# Altium PCB PCB3.PcbDoc
Units mil, origin at the board's own origin, x right, y up, seen from the top; angles counter-clockwise.
Board outline 1770 x 1695 mil, 2 copper layers (Top Layer, Bottom Layer); 39 components, 30 nets, 125 pads, 80 vias.
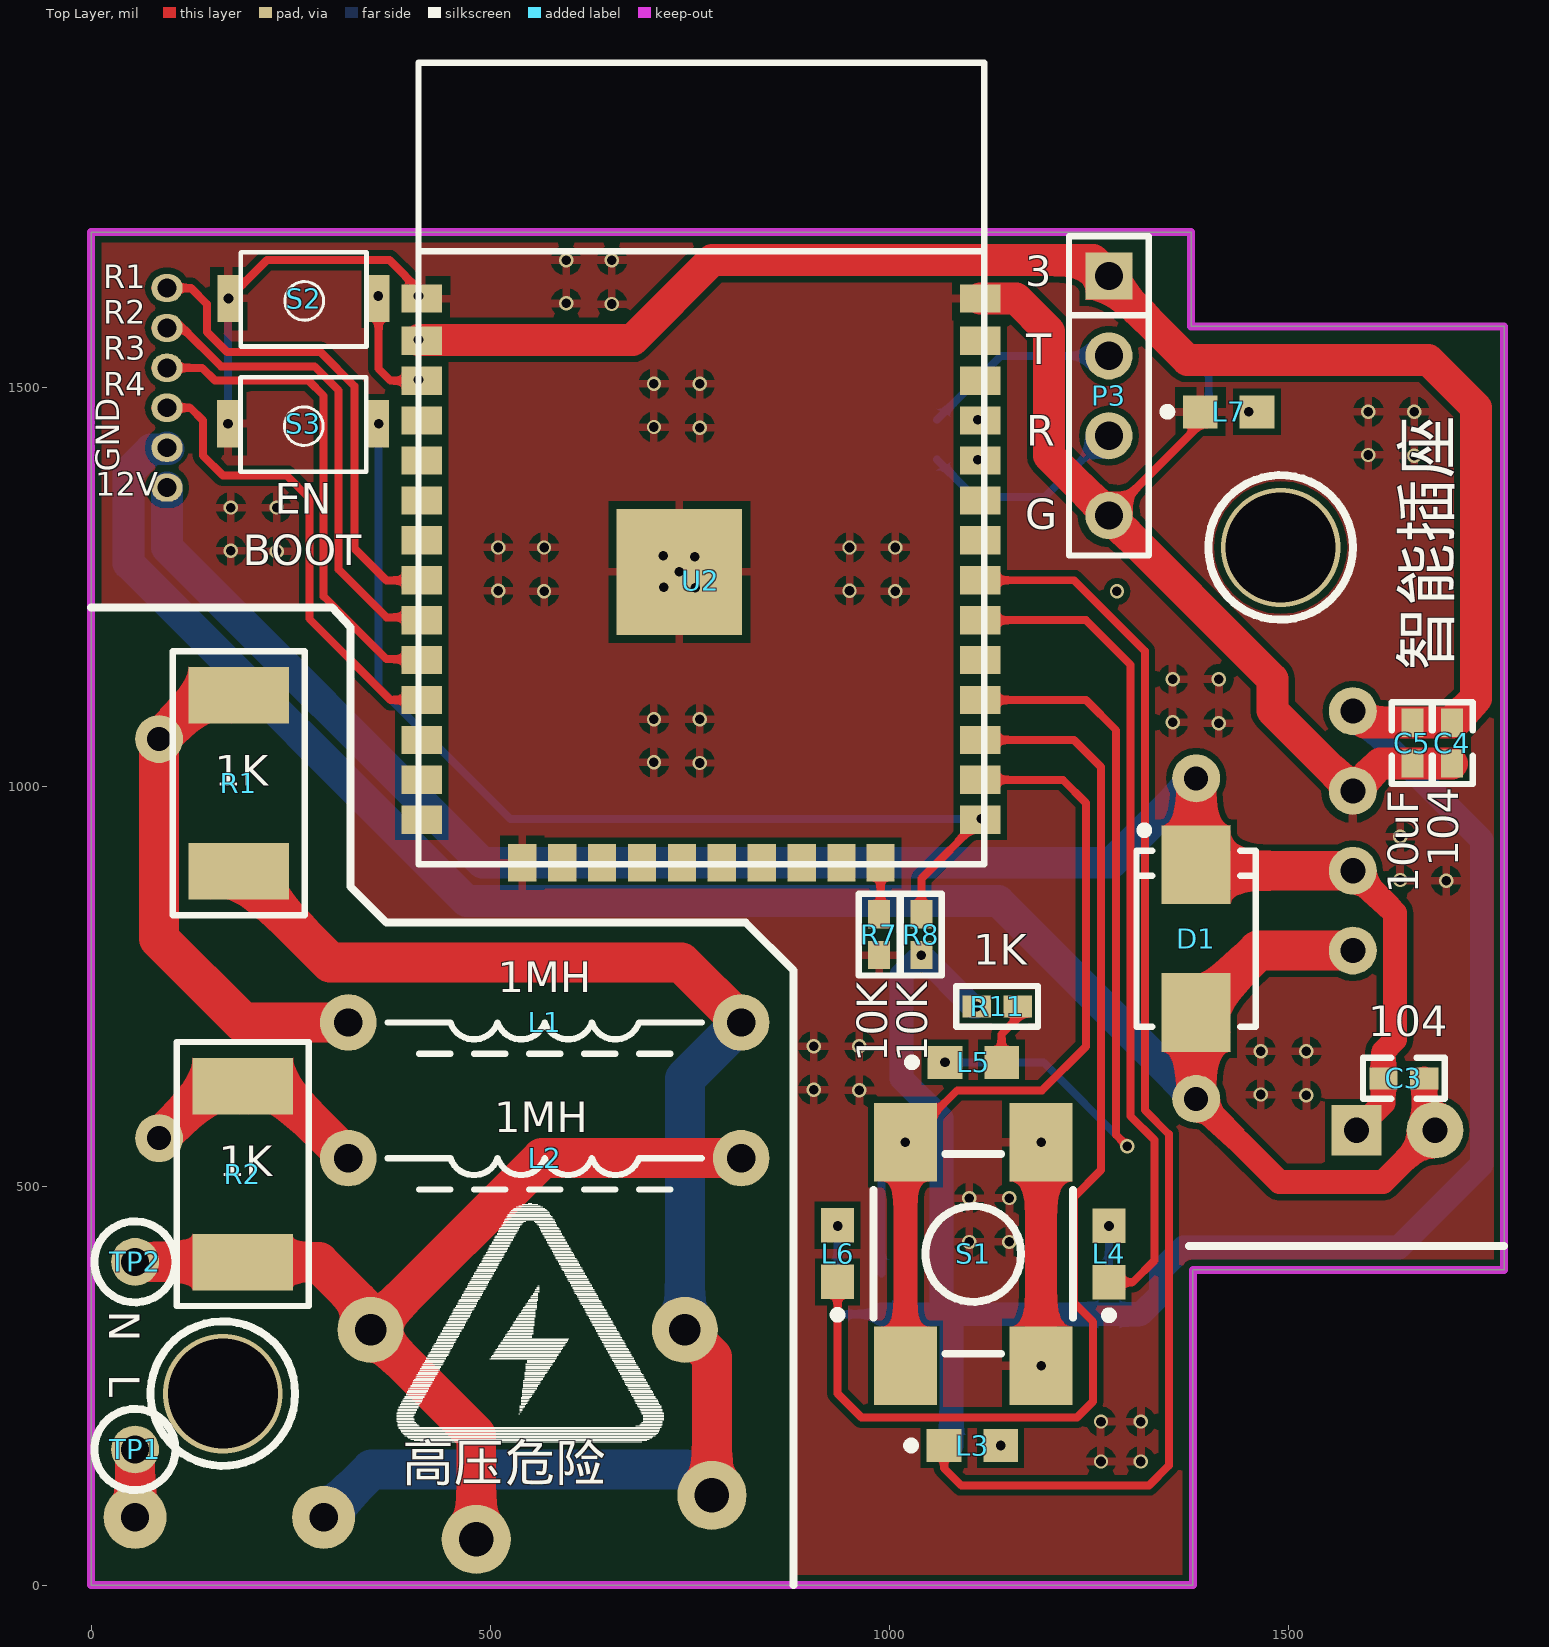
[diagram p0: Top Layer view]
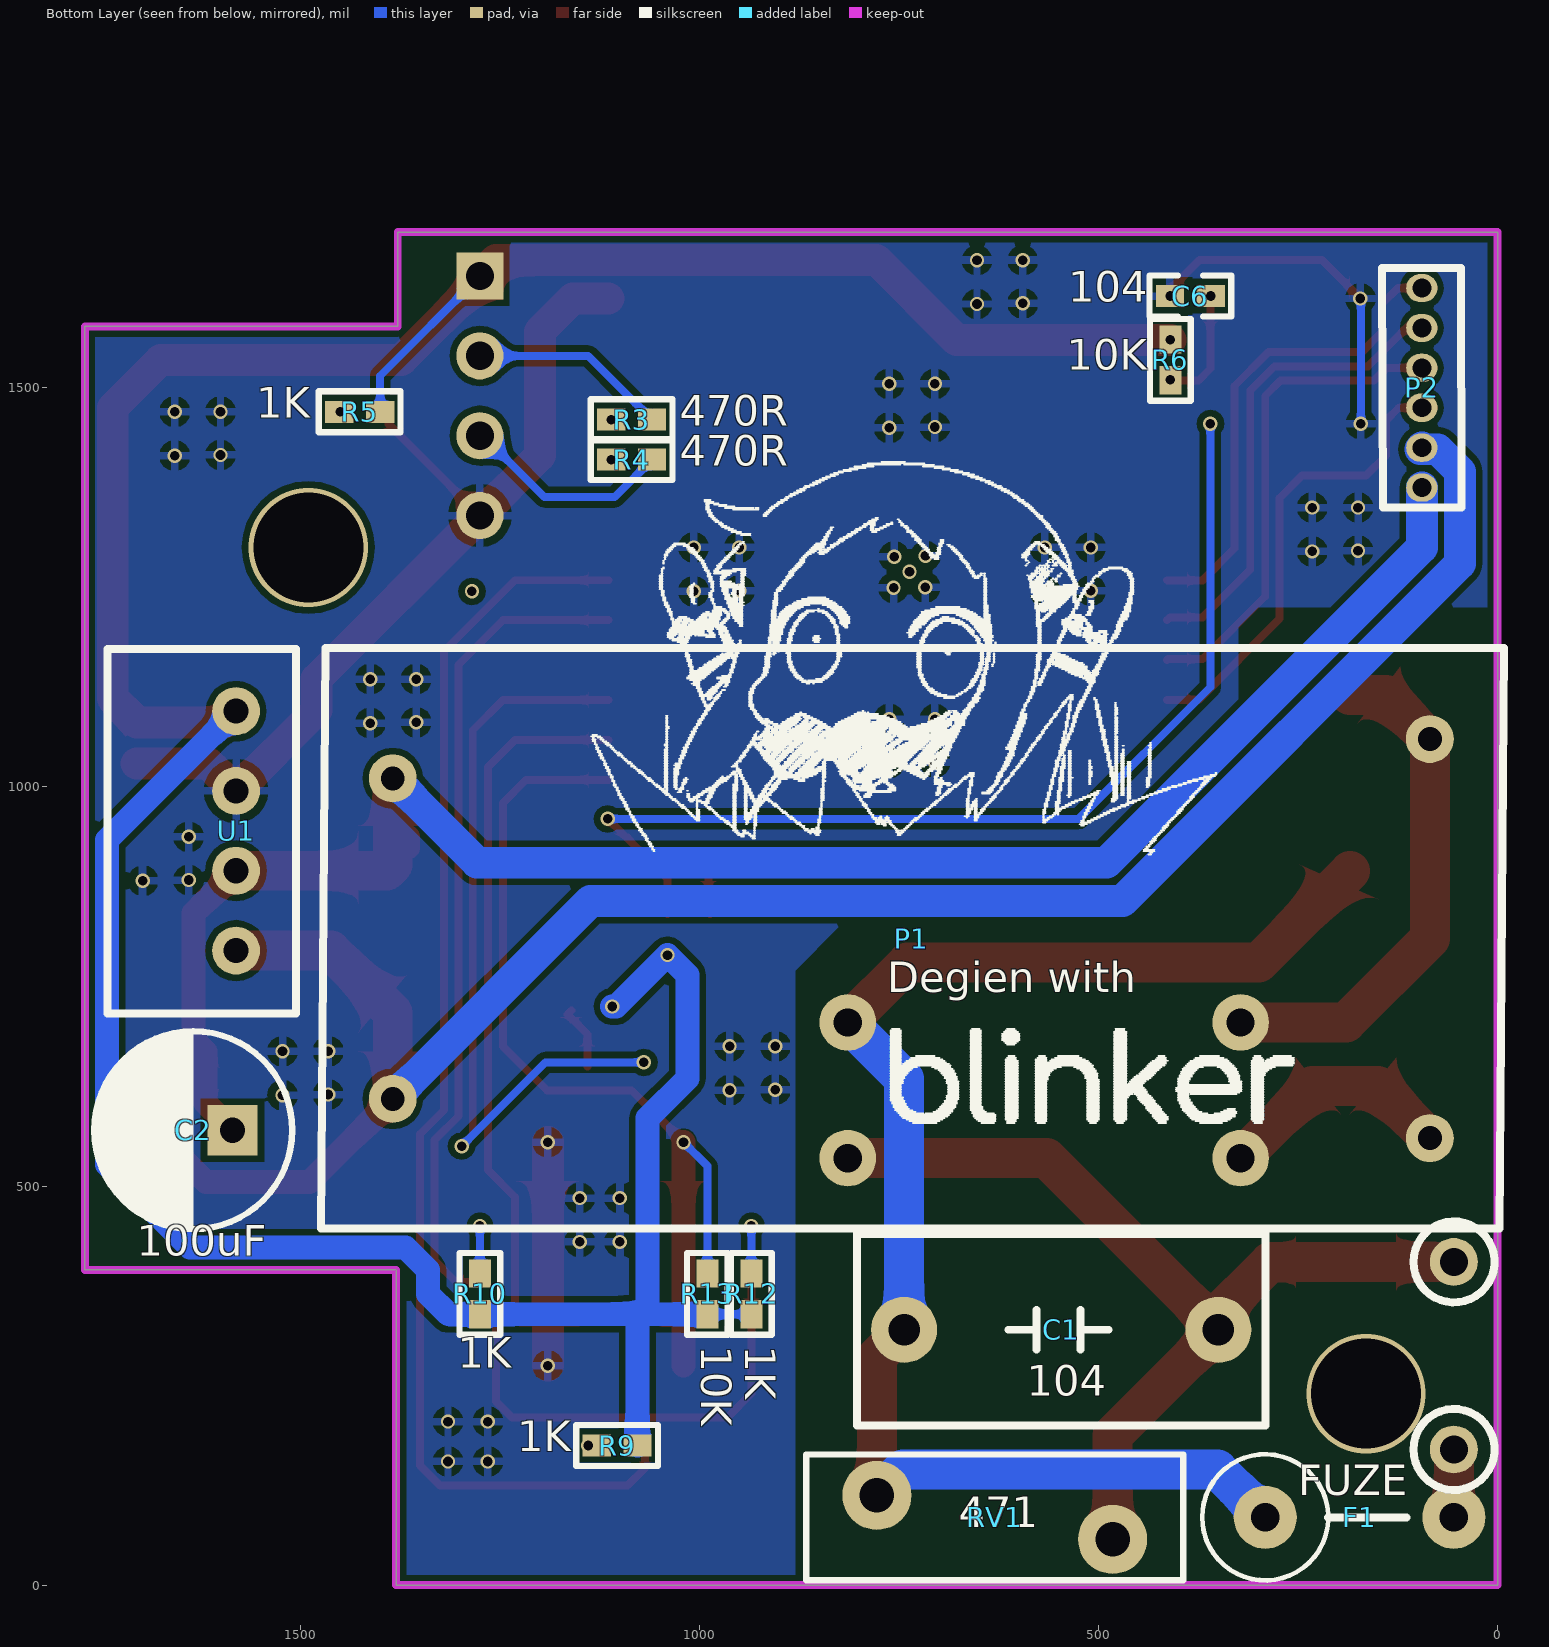
[diagram p1: Bottom Layer view, seen from below]
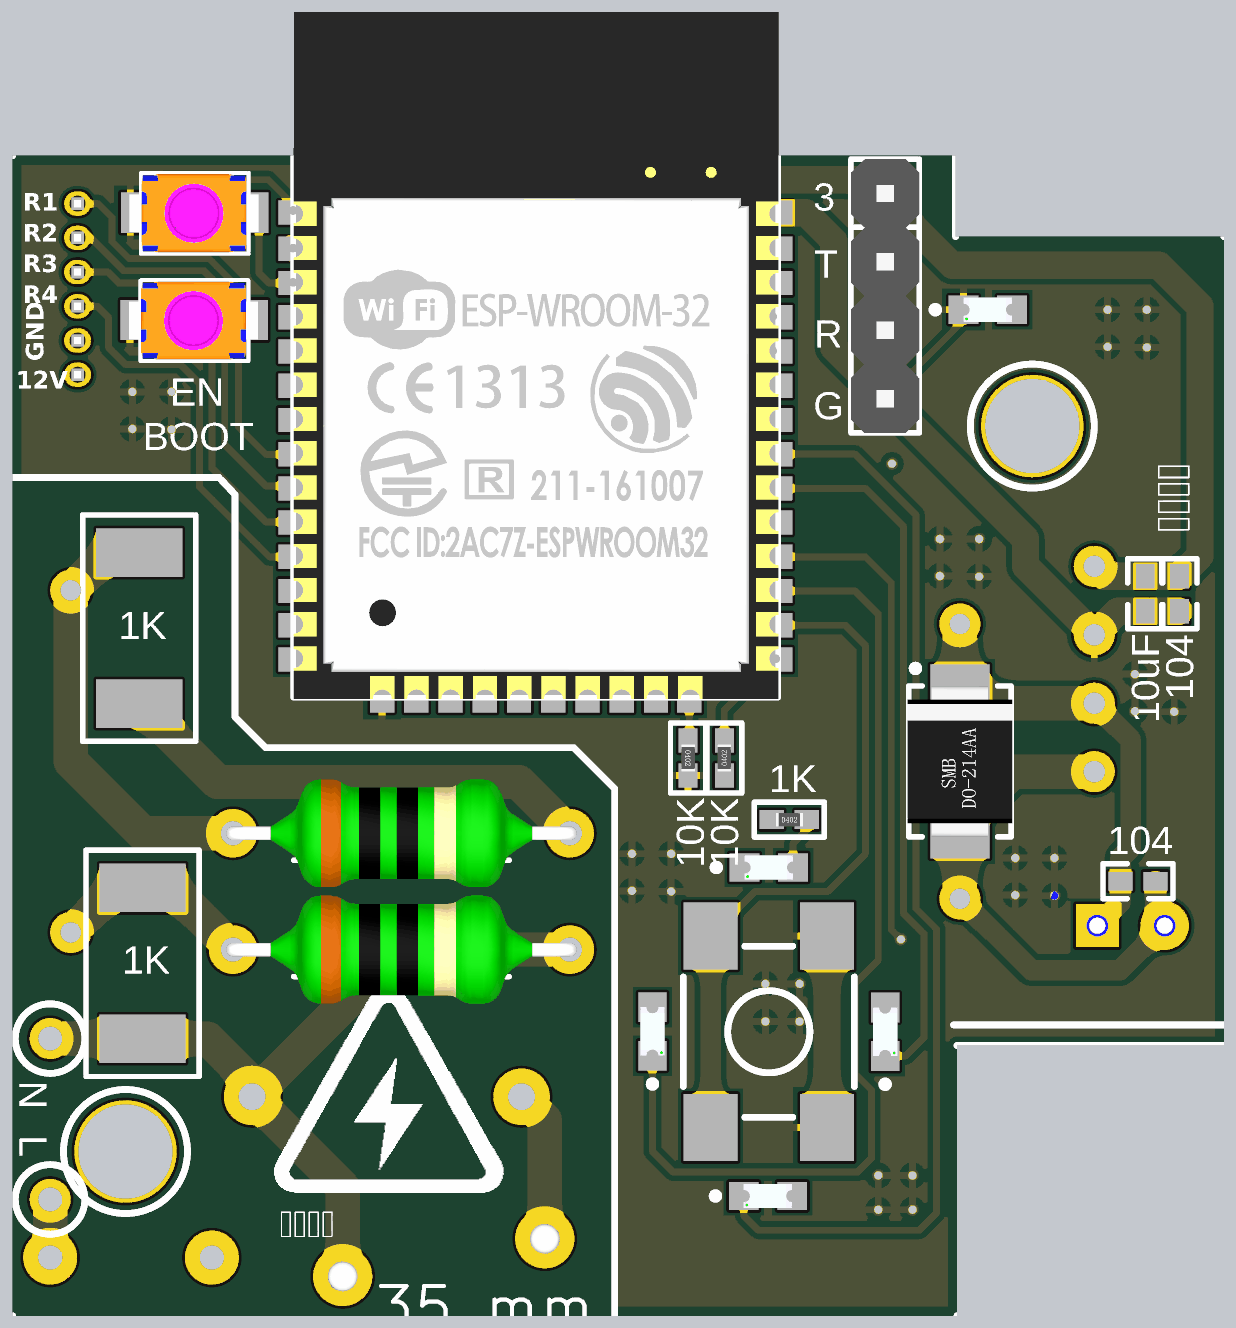
[diagram p2: 3D render of the assembled board from above, using the file's embedded part models]
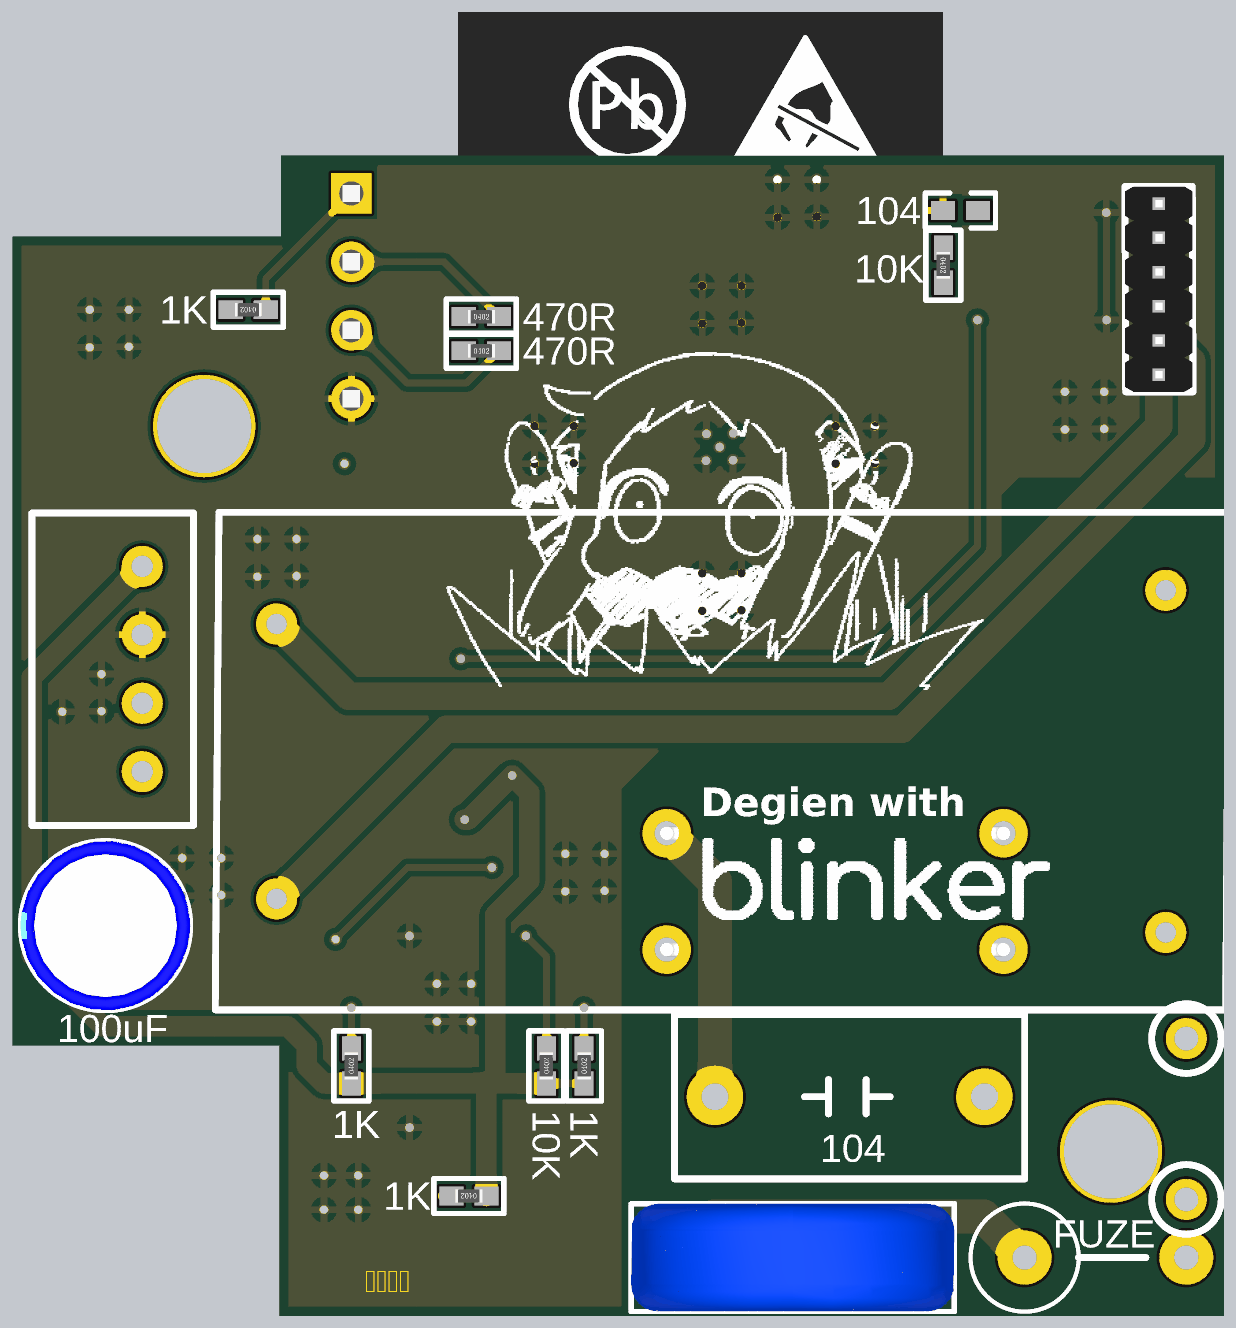
[diagram p3: 3D render of the assembled board from below, using the file's embedded part models]

## Layer stack, top to bottom
Top Solder: solder mask 0.4, Solder Resist, Dk 3.5
Top Layer: signal copper 1.4
Dielectric 1: dielectric 12.6, FR-4, Dk 4.8
Bottom Layer: signal copper 1.4
Bottom Solder: solder mask 0.4, Solder Resist, Dk 3.5

## Board outline
0,0 0,1695 1377.95,1695 1377.95,1576.89 1770,1576.89 1770,395 1380,395 1380,0

## Design rules (kind name [scope] priority, off if disabled: settings)
Clearance [All] p1: gap=8 ignorepadtopadclearanceinfootprint=FALSE
ComponentClearance [All] p1: gap=0 collisioncheckmode=3 verticalgap=0 showdistances=FALSE
HoleSize [All] p1: absolutevalues=TRUE maxlimit=200 minlimit=1 maxpercent=80.000 minpercent=20.000
HoleToHoleClearance [All] p1: gap=0 allowstackedmicrovias=TRUE
MinimumSolderMaskSliver [All] p1: minsoldermaskwidth=0
PolygonConnect [All] p1: connectstyle=Relief reliefconductorwidth=10 reliefentries=4 polygonreliefangle="90 Angle" airgapwidth=10
RoutingVias [All] p1: holewidth=28 width=50 viastyle="Through Hole" minholewidth=28 minwidth=50 maxholewidth=28 maxwidth=50
SilkToSilkClearance [All] p1: silktosilkclearance=0
SilkToSolderMaskClearance [IsPad] p1: minsilkscreentomaskgap=0 clearancetoexposedcopper=TRUE
SolderMaskExpansion [All] p1: expansion=4
Width [All] p1: maxlimit=100 minlimit=10 preferedwidth=50
24 further rules are at their usual default settings.

## Components (designator, comment, footprint, x,y, rotation, side; value= is the part's Value field where it differs from the comment)
C1 "104" MPF131006 350,320 r0 bottom
C2 "100uF" CAPPR2.5-6.3X11.5 1634.21,570 r0 bottom
C3 "104" CAPC1005[0402]S 1644.41,635 r0 top
C4 "104" CAPC1005[0402]S 1705,1055 r270 top
C5 "10uF" CAPC1005[0402]S 1655,1055 r270 top
C6 "104" CAPC1005[0402]S 385,1615 r180 bottom
D1 "SMBJ20A" SMB[DO-214AA] 1384.21,810 r90 top
F1 "=Current" FUSE-L 55,85 r0 bottom
L1 "1MH" LGA0410 568.15,705 r180 top value=100uH
L2 "1MH" LGA0410 568.15,535 r180 top value=100uH
L3 "Red" LEDC1608(0603) 1103.82,175 r0 top
L4 "Red" LEDC1608(0603) 1275,415 r90 top
L5 "Red" LEDC1608(0603) 1105,655 r0 top
L6 "Red" LEDC1608(0603) 935,415.43 r90 top
L7 "Red" LEDC1608(0603) 1425,1470 r0 top
P1 "Header 5" "AC-DC 12V 3W" 85,1060 r0 bottom
P2 "Header 6" "header 6 1.27mm" 95,1625 r270 bottom
P3 "Header 4" HDR1X4 1275,1640 r270 top
R1 "1K" RESC6332[2512]S 185,1004.76 r90 top
R2 "1K" RESC6332[2512]S 190,515 r90 top
R3 "470R" RESC1005[0402]S 1085,1460 r180 bottom
R4 "470R" RESC1005[0402]S 1085,1410 r180 bottom
R5 "1K" RESC1005[0402]S 1425.59,1470 r0 bottom
R6 "10K" RESC1005[0402]S 410,1535 r270 bottom
R7 "10K" RESC1005[0402]S 986.97,815 r270 top
R8 "10K" RESC1005[0402]S 1040,815 r90 top
R9 "1K" RESC1005[0402]S 1103.23,175 r0 bottom
R10 "1K" RESC1005[0402]S 1275,365 r90 bottom
R11 "1K" RESC1005[0402]S 1135,725 r0 top
R12 "1K" RESC1005[0402]S 935,365 r90 bottom
R13 "10K" RESC1005[0402]S 990,365 r90 bottom
RV1 "471" RESKINK-E75W12 630,85 r0 bottom value=472
S1 "SW-PB4" SW_PB4_A1 1105,415 r90 top
S2 "SW-PB" button 345,1551.88 r180 top
S3 "SW-PB" button 344.41,1395 r180 top
TP1 "Test Point" TESTPOINT 55,170 r0 top
TP2 "Test Point" TESTPOINT 55,405 r0 top
U1 "B1203S-1WR2" B_S-1WR2 1580.55,795 r90 bottom
U2 "ESP_WROOM_32" ESP32 410.08,903.22 r0 top

## Footprints (in the part's own frame and the unit in brackets; to place one, negate y for a bottom-side part, rotate by r counter-clockwise, add the part's x,y. Pads: shape width x height; smd on the part's side, far side on the other; paste and mask are expansions set on the pad)
"AC-DC 12V 3W" [mil] "GODSEND UA3"
  round 60 hole 30: 1(0,0) 2(0,500) 3(1299.21,450.79) 5(1299.21,49.21)
  silkscreen extent -93,-114 1389,613, body extent -91,-114 1385,614, height 531
B_S-1WR2 [mil] "12v 3.3v dc 1w"
  round 60 hole 31.5: 1(0,0) 2(100,0) 3(200,0) 4(300,0)
  silkscreen extent -79,-75 378,161, body extent -79,-75 377,161, height 400
button [mil]
  rect 27.56x59.06 smd: 1(-15,-60) 2(173,-60)
  silkscreen extent 0,-118 157,0, body extent -14,-116 174,-2, height 83
CAPC1005[0402]S [mm] "Chip Capacitor,Silkscreen border, 2-Leads, Body 1.00x0.50mm, IPC Medium Density"
  rect 0.9x0.7 smd: 1(-0.65,0) 2(0.65,0)
  silkscreen extent -1.3,-0.65 1.3,0.65, body extent -0.55,-0.3 0.55,0.3, height 0.6
CAPPR2.5-6.3X11.5 [mm]
  rect 1.6x1.6 hole 0.8: 1(-1.25,0)
  round 1.8 hole 0.8: 2(1.25,0)
  silkscreen extent -3.15,-3.15 3.15,3.15, body extent -3.15,-3.15 3.15,3.15, height 11.5
ESP32 [mm]
  rect 1.3x0.9 smd: 1(0.102,18) 2(0.102,16.655) 3(0.102,15.385) 4(0.102,14.115) 5(0.102,12.845) 6(0.102,11.575) 7(0.102,10.305) 8(0.102,9.035) 9(0.102,7.765) 10(0.102,6.495) 11(0.102,5.225) 12(0.102,3.955) 13(0.102,2.685) 14(0.102,1.415) 25(17.873,1.415) 26(17.873,2.685) 27(17.873,3.955) 28(17.873,5.225) 29(17.873,6.495) 30(17.873,7.765) 31(17.873,9.035) 32(17.873,10.305) 33(17.873,11.575) 34(17.873,12.845) 35(17.873,14.115) 36(17.873,15.385) 37(17.873,16.655) 38(17.873,18)
  rect 0.9x1.2 smd: 15(3.3,0.045) 16(4.57,0.045) 17(5.84,0.045) 18(7.11,0.045) 19(8.38,0.045) 20(9.65,0.045) 21(10.92,0.045) 22(12.19,0.045) 23(13.46,0.045) 24(14.7,0.045)
  rect 4x4 smd: 39(8.3,9.3)
  silkscreen extent 0,0 18,25.5, body extent 0.02,-0.05 18.02,25.45, height 2.91
FUSE-L [mil]
  round 79 hole 35.43: 1(0,0) 2(236.22,0)
  silkscreen extent 59,-79 315,79, body extent -13,-74 314,83, height 545
HDR1X4 [mm] "Connector; Header; 4 Position"
  rect 1.5x1.5 hole 0.9: 1(0,0)
  round 1.5 hole 0.9: 2(2.54,0) 3(5.08,0) 4(7.62,0)
  silkscreen extent -1.27,-1.27 8.89,1.27, body extent -1.27,-1.27 8.89,1.27, height 8.54
"header 6 1.27mm" [mm]
  oval 0.9x1 hole 0.6: 1(0,0) 2(1.27,0) 3(2.54,0) 4(3.81,0) 5(5.08,0) 6(6.35,0)
  silkscreen extent -0.64,-1.26 6.98,1.27, body extent -0.63,-1.25 6.99,1.25, height 5.44
LEDC1608(0603) [mm] "LED,Chip;1.60mm L X 0.80mm W X 0.80mm H"
  rect 1.1x1.05 smd: A(0.9,0) C(-0.9,0)
  silkscreen extent -2.07,-0.12 -1.83,0.12, body extent -0.9,-0.45 0.9,0.45, height 0.8
LGA0410 [mm]
  round 1.8 hole 0.9: 1(-6.25,0) 2(6.25,0)
  silkscreen extent -5,0 5,1, body extent -6.5,-2 6.5,2, height 3.85
MPF131006 [mm] "Metallized Polypropylene Film Capacitor"
  round 2.1 hole 1: 1(0,0) 2(10,0)
  silkscreen extent -1.5,-3.05 11.5,3.05, body extent -1.63,-3.17 11.63,3.17, height 10
RESC1005[0402]S [mm] "Silkscreen Outside, Chip Resistor, 2-Leads, Body 1.05x0.54mm, IPC Medium Density"
  rect 0.9x0.7 smd: 1(-0.65,0) 2(0.65,0)
  silkscreen extent -1.3,-0.65 1.3,0.65, body extent -0.5,-0.25 0.5,0.25, height 0.35
RESC6332[2512]S [mm] "Silkscreen Outside, Chip Resistor, 2-Leads, Body 6.30x3.20mm, IPC Medium Density"
  rect 1.8x3.2 smd: 1(-2.8,0) 2(2.8,0)
  silkscreen extent -4.2,-2.1 4.2,2.1, body extent -3.22,-1.68 3.22,1.68, height 0.71
RESKINK-E75W12 [mm] "Kinked Leads, 7.5mm pitch, 12mm diameter"
  round 2.2 hole 1.1: 1(-3.75,0.7) 2(3.75,-0.7)
  silkscreen extent -6,-2 6,2, body extent -6,-2 6,2, height 15
SMB[DO-214AA] [mm] "Molded Diode, 2-Leads, Body 5.30x3.55mm, IPC Medium Density"
  rect 2.5x2.2 smd: A(-2.35,0) K(2.35,0)
  silkscreen extent -2.8,-1.9 3.57,1.9, body extent -2.8,-1.95 2.8,1.95
SW_PB4_A1 [mil]
  rect 98.42x78.74 smd: 1(-140,85) 2(-140,-85) 3(140,-85) 4(140,85)
  silkscreen extent -125,-125 125,125, body extent -125,-125 125,125, height 236
TESTPOINT [mil] "Test Point, 2mm Diameter, 0.5mm Thru Hole"
  round 60 hole 35: 1(0,0)
  silkscreen extent -51,-51 51,51

## Part data
C1: library part "Cap Film 275VAC", "Film Capacitor", Voltage=275V, Price(RMB)=0.000, Published=8-Jun-2000, Publisher="Altium Limited", Revision="July-2002: Re-released for DXP Platform."
C2: library part "Cap Pol 2.5-6.3", "Polarized Capacitor (Radial)", Voltage=25V, Price(RMB)=0.000, Published=8-Jun-2000, Publisher="Altium Limited", Revision="July-2002: Re-released for DXP Platform."
C3 C4 C5 C6: library part "Cap Chip 2", "Chip Capacitor, Silkscreen Border", Tolerance=Y5V, Voltage=63V, Price(RMB)=0.000, Published=8-Jun-2000, Publisher="Altium Limited", Revision="July-2002: Re-released for DXP Platform."
D1: library part "Diode TVS Uni-Dir", "TRANSIENT VOLTAGE  SUPPRESSOR DIODE", Imax=500mA, PartNumber=SMBJ20A, Price(RMB)=0.000, Published=8-Jun-2000, Publisher="Altium Limited"
F1: library part Fuse, "Fuse", Voltage=250V, Imax=2A, Price(RMB)=0.000, Published=8-Jun-2000, Publisher="Altium Limited", Revision="July-2002: Re-released for DXP Platform."
L1 L2: library part "Ind Axial", "Discrete Inductor, Ferrite-Core", DCR=.1m, Imax=500mA, Price(RMB)=0.000, Published=8-Jun-2000, Publisher="Altium Limited", Revision="July-2002: Re-released for DXP Platform."
L3 L4 L5 L6 L7: library part "LED Chip", "Typical Chip LED", Color=Red, Price(RMB)=0.00, Published=8-Jun-2000, Publisher="Altium Limited", Revision="July-2002: Re-released for DXP Platform."
P1: "Header, 5-Pin", LatestRevisionDate=17-Jul-2002, LatestRevisionNote="Re-released for DXP Platform.", Price(RMB)=0.00, Publisher="Altium Limited"
P2: "Header, 6-Pin", LatestRevisionDate=17-Jul-2002, LatestRevisionNote="Re-released for DXP Platform.", Price(RMB)=0.00, Publisher="Altium Limited"
P3: "Header, 4-Pin", LatestRevisionDate=17-Jul-2002, LatestRevisionNote="Re-released for DXP Platform.", Price(RMB)=0.00, Publisher="Altium Limited"
R1 R2 R3 R4 R5 R6 R7 R8 R9 R10 R11 R12 R13: library part "Res Chip 2p 2", "Chip Resistor, Border Silkscreen On PCB Library", Tolerance=5%, Price(RMB)=0.000, Published=8-Jun-2000, Publisher="Altium Limited", Revision="July-2002: Re-released for DXP Platform."
RV1: library part "Res Varistor", "Voltage Sense Resistor", Voltage=470V, Price(RMB)=0.000, Published=24-Mar-1999, Publisher="Altium Limited", Revision="July-2002: Re-released for DXP Platform."
S1: "微动开关", LatestRevisionDate=17-Jul-2002, LatestRevisionNote="Re-released for DXP Platform.", PackageReference=SPST-2, Published=24-Mar-1999, Publisher="Altium Limited"
S2 S3: "Switch", Price(RMB)=0.000, Published=24-Mar-1999, Publisher="Altium Limited", Revision="July-2002: Re-released for DXP Platform."
TP1 TP2: "Test Point for Manufature", Price(RMB)=0.000
U1: library part B_S-1WR2

## Via types
v1: diameter 18, hole 12, Top Layer to Bottom Layer, tented both sides, 78 vias
v2: diameter 149.61, hole 137.8, Top Layer to Bottom Layer, 2 vias

## Nets (pads, with @x,y where several pads share a name; then routed paths per layer and width w, separated by ;. In a path a pad name is that pad's centre, name@x,y a point inside that pad or via, vN(x,y) a via of type N, cw(c..) or ccw(c..) an arc to the next point about the centre after c; other vN are vias at no path point)
3V3: C4.1 C5.1 P3.1 R5.1 R6.1 R8.1 R9.1 R10.1 R11.1 R12.1 R13.1 U1.4 U2.2 | length 4486.8
  Top Layer w40: v1(410,1560) 678,1560 778,1660 1255,1660 P3.1 1275,1633.17 1373.17,1535 1675,1535 1735,1475 1735,1110.59 C4.1 C5.1 1594.96,1080.59 U1.4
  Bottom Layer w10: R12.1 R13.1 ; P3.1 1400,1515 R5.1
  Bottom Layer w30: R13.1 1075,339.41 ; R9.1 1077.64,336.77 1075,339.41 ; v1(1109.41,725) 1104.41,725 v1(1040,789.41) 1015,764.41 1015,635 1065,585 1065,349.41 1075,339.41 ; R10.1@1272,339.41 1075,339.41 ; R10.1 1314.41,339.41 1340,365 1340,394.6 1368.4,423 1638,423 1742,527 1742,933.55 U1.4
12V: C2.1 C3.1 D1.K P1.5 P2.6 U1.2 | length 2260.1
  Top Layer w30: D1.K@1365,923.82 D1.K@1365,937.52 ; U1.2 1633.55,842 1633.55,683.55 1618.82,668.82 C3.1 1618.82,603.82 C2.1
  Top Layer w50: P1.5 D1.K 1391.73,895 U1.2
  Bottom Layer w40: P2.6 95,1300 490,905 1278.43,905 P1.5
AC_L: F1.1 TP1.1 | length 85
  Top Layer w50: F1.1 TP1.1
AC_N: C1.1 L2.1 R2.1 RV1.1 TP2.1 | length 1206.7
  Top Layer w50: TP2.1 189.76,405 R2.1 285.24,404.76 C1.1@360,330 ; RV1.1 482.36,187.64 C1.1 C1.1@360,330 ; L2.1 565,535 C1.1@360,330
DGND: C4.2 C5.2 C6.1 L7.C P3.4 R7.2 S1.2 S1.3 S2.2 S3.2 U1.3 U2.1 U2.15 U2.38 U2.39 | length 1877.1
  Top Layer w10: S2.2@171.41,1611.29 v1(172,1611.88) 220.12,1660 373.57,1660 414.08,1619.5 U2.1 ; P3.4 1389.57,1454.57 L7.C
  Top Layer w40: U2.38 1158.71,1611.88 1200,1570.59 1200,1415 P3.4 1480,1135 1480,1095.55 U1.3 1614.96,1029.41 C5.2 C4.2 ; v1(1190,275) v1(1190,555)
  Bottom Layer w10: v1(171.41,1455) 171.41,1611.29 v1(172,1611.88)
  other v1: 1265,155 1315,155 1265,205 1315,205 1100,430 1150,430 1100,485 1150,485 1522.31,613.82 1465,614.69 962.31,620 905,620.87 1465,668.82 1522.31,668.82 905,675 962.31,675 1640,883.39 1697.31,882.52 1640,937.52 762.31,1030 705,1030.87 1412.31,1080 1355,1080.87 705,1085 762.31,1085 1355,1135 1412.31,1135 567.31,1245 1007.31,1245 510,1245.87 950,1245.87 756.85,1249.36 717.22,1250.12 736.85,1269.36 716.85,1289.36 756.09,1288.6 232.31,1295 175,1295.87 510,1300 567.31,1300 950,1300 1007.31,1300 175,1350 232.31,1350 1657.31,1415 1600,1415.87 762.31,1450 705,1450.87 1600,1470 1657.31,1470 705,1505 762.31,1505 652.31,1605 595,1605.87 410,1615 595,1660 652.31,1660
EN: C6.2 R6.2 S2.1 U2.3 | length 148.2
  Top Layer w10: S2.1 360,1523.94 375,1508.94 U2.3
  other v1: 410,1510 359.41,1615
GND: C2.2 C3.2 D1.A P1.3 P2.5 U1.1 | length 2570.9
  Top Layer w30: P1.3 1488.43,505 1618.43,505 C2.2 1670,583.43 C3.2
  Top Layer w50: P1.3 D1.A 1461.73,795 U1.1
  Bottom Layer w40: P2.5 97,1423 75.12,1423 47,1394.88 47,1280.12 470.12,857 1136.43,857 P1.3
IO0: R8.2 S3.1 U2.25 | length 1302.2
  Top Layer w10: R8.2 1040,885.2 U2.25
  Bottom Layer w10: v1(360,1455) 360,1125 525,960 v1(1115,960)
IO2: R7.1 U2.24 | length 65.2
  Top Layer w10: R7.1 988.82,842.44 U2.24
L1: L3.C U2.31 | length 1604.8
  Top Layer w10: L3.C 1068.39,146.61 1090,125 1325,125 1350,150 1350,565 1320,595 1320,1170 1231.06,1258.94 U2.31
L2: L4.C U2.30 | length 1038.4
  Top Layer w10: U2.30 1246.06,1208.94 1302,1153 1302,587.54 1332,557.54 1332,406.76 1304.8,379.57 L4.C
L3: L5.C U2.28 | length 984.7
  Top Layer w10: U2.28 1246.06,1108.94 1284,1071 1284,564 v1(1298,550)
  Bottom Layer w10: v1(1069.57,655) 1193,655 v1(1298,550)
L4: L6.C U2.27 | length 1465
  Top Layer w10: L6.C 935,240 965,210 1235,210 1255,230 1255,330 1231.06,353.94 1231.06,486.06 1265,520 1265,530 1265,1025 1231.06,1058.94 U2.27
NetC1_2: C1.2 F1.2 L1.1 R1.1 RV1.2 | length 1873.4
  Top Layer w50: R1.1 299.53,780 739.21,780 L1.1 ; C1.2 777.64,286.06 RV1.2
  Bottom Layer w50: F1.2 351.22,145 745.2,145 RV1.2 ; C1.2 743.7,634.49 L1.1 ; C1.2@745,338.7 C1.2@748.7,335
NetL1_2: L1.2 P1.1 R1.2 | length 653.4
  Top Layer w50: R1.2 140,1115 P1.1 85,810 190,705 L1.2
NetL2_2: L2.2 P1.2 R2.2 | length 301.5
  Top Layer w50: P1.2 150.24,625.24 R2.2 231.85,625.24 L2.2
NetL3_A: L3.A R9.2
  other v1: 1139.25,175
NetL4_A: L4.A R10.2 | length 66.5
  Bottom Layer w10: R10.2@1270,392.59 R10.2@1272,390.59 ; v1@1272,447 v1(1275,450) R10.2
NetL5_A: L5.A R11.2 | length 82.4
  Top Layer w10: L5.A@1140.43,650 1140.43,690.16 1165.43,715.16 R11.2@1160.59,720
NetL6_A: L6.A R12.2 | length 59.4
  Bottom Layer w10: R12.2 v1(935,450)
NetL7_A: L7.A R5.2
  other v1: 1450,1470
NetR3_1: R3.1 U2.35
  other v1: 1110.59,1460
NetR4_1: R4.1 U2.34
  other v1: 1110.59,1410
RE1: P2.1 U2.8 | length 625.5
  Top Layer w10: P2.1@80,1625 125,1625 145.22,1604.78 145.22,1569.78 170,1545 287.09,1545 330,1502.09 330,1298.7 370,1258.7 413.84,1258.7 U2.8
RE2: P2.2 U2.9 | length 617
  Top Layer w10: P2.2@80,1575 114.54,1575 162.54,1527 279.63,1527 310,1496.63 310,1272.5 370,1212.5 410.52,1212.5 U2.9
RE3: P2.3 U2.10 | length 632.8
  Top Layer w10: P2.3@80,1525 139.09,1525 155.09,1509 272.17,1509 291.22,1489.95 291.22,1238.78 370,1160 413.02,1160 U2.10
RE4: P2.4 U2.11 | length 600
  Top Layer w10: P2.4@80,1475 124.09,1475 140,1459.09 140,1415 165,1390 245,1390 273.22,1361.78 273.22,1210.72 375,1108.94 U2.11
RXD0: P3.3 R4.2 | length 267
  Bottom Layer w10: R4.2 1106.41,1363 1194.11,1363 1271.11,1440 P3.3
S1: R13.2 S1.1 S1.4 U2.26 | length 1181.9
  Top Layer w10: v1(1020,555) 1085,620 1191.06,620 1246.06,675 1246.06,980 1217.13,1008.94 U2.26
  Top Layer w30: S1.1 v1(1020,555)
  Bottom Layer w10: R13.2 990,525 v1(1020,555)
TXD0: P3.2 R3.2 | length 248.7
  Bottom Layer w10: R3.2 1139.41,1540 P3.2
pads on no net: U2.4 U2.5 U2.6 U2.7 U2.12 U2.13 U2.14 U2.16 U2.17 U2.18 U2.19 U2.20 U2.21 U2.22 U2.23 U2.29 U2.32 U2.33 U2.36 U2.37
copper on no net:
  other v1: 1285,1245
  other v2: 165,240 1490,1300

## Polygon pours and split planes (outlines as drawn)
DGND on Top Layer "Top Layer-DGND" (solid, remove dead copper, pour order 8): 0,1695 1380,1695 1380,1580 1770,1580 1770,395 1380,395 1380,0 880,0 880,770 820,830 370,830 325,875 325,1200 300,1225 0,1225
DGND on Bottom Layer "Bottom Layer-DGND" (solid, remove dead copper, pour order 2): 0,1695 1380,1695 1380,1580 1770,1580 1770,395 1380,395 1380,0 880,0 880,770 820,830 370,830 325,875 325,1200 300,1225 0,1225

## Keep-outs
Keep-Out Layer:
  the board outline again, w10

## Silkscreen, mask and mechanical layers (free items; w line width, h text height)
Top Overlay:
  drawing of 489 lines, arcs and shapes, not listed
  text "R1" at 15,1615 h50
  text "3" at 1170,1615 h65
  text "R2" at 15,1570 h50
  text "R3" at 15,1525 h50
  text "T" at 1171.18,1516.89 h65
  text "R4" at 15,1480 h50
  text "R" at 1171.18,1415 h65
  text "GND" at 45,1395 h50 r90
  text "12V" at 5,1355 h50
  text "EN" at 230,1330 h65
  text "G" at 1170,1310 h65
  text "BOOT" at 190,1265 h65
  text "智能插座" at 1720,1145 h100 r90
  text "N" at 10,343.5 h65 r270
  text "L" at 10,264 h65 r270
  text "高压危险" at 390,115 h80
Bottom Overlay:
  drawing of 3475 lines, arcs and shapes, not listed
  text "Degien with" at 765,730 h65
  text "FUZE" at 250,100 h65
Bottom Solder:
  text "北方电子" at 1255,35 h65

## Dimensions
1380,395 to 1380,0 on Top Overlay
0,1695 to 0,0 on Top Overlay
1770,1576.89 to 1770,395 on Top Overlay
1377.95,1576.89 to 1770,1576.89 on Top Overlay
0,1695 to 1377.95,1695 on Top Overlay
0,0 to 1380,0 on Top Overlay